# Altium PCB PCB_OBDH.PcbDoc (part 1 of 3) (continued)
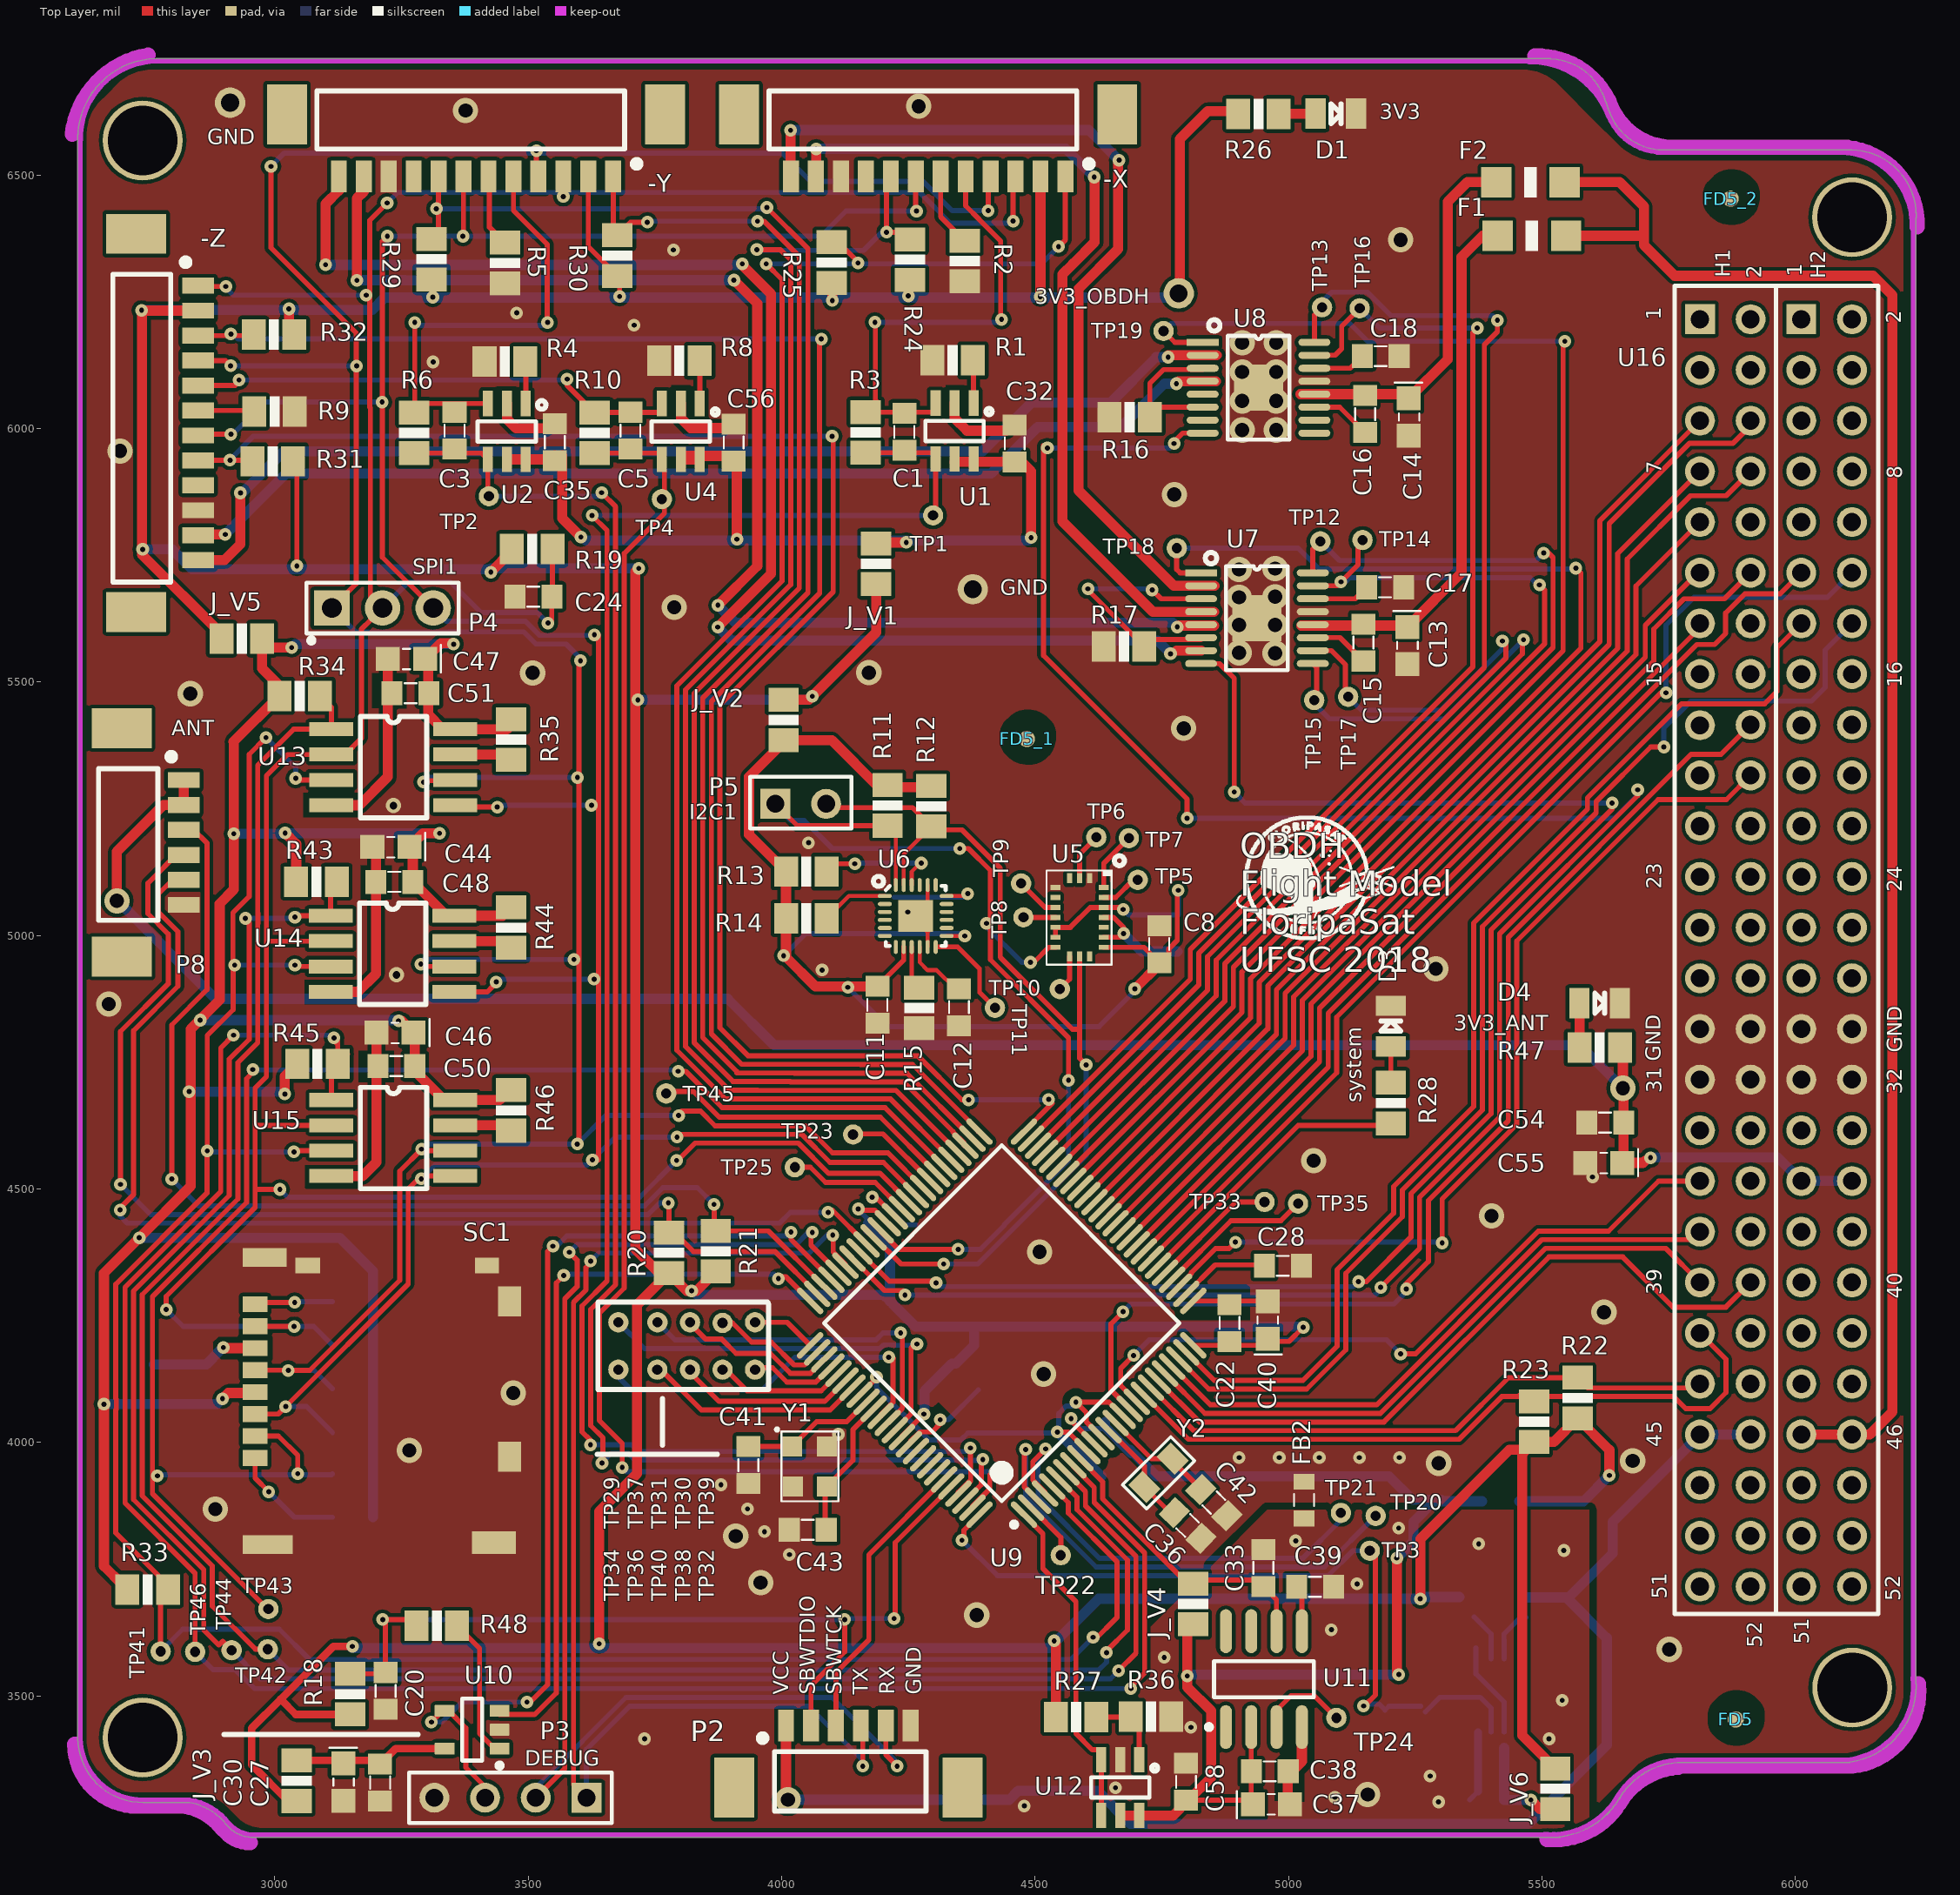
[diagram p0: Top Layer view]
## Components (designator, comment, footprint, x,y, rotation, side; value= is the part's Value field where it differs from the comment) (continued)
R25 "10k" 0805 4098.43,6327.56 r270 top
R26 "DNP" 0805 4940.94,6620.87 r180 top
R27 "47k" 0805 4581.1,3458.27 r0 top
R28 "330R" 0805 5201.97,4669.69 r90 top
R29 "10k" 0805 3309.45,6334.25 r270 top
R30 "10k" 0805 3675.98,6341.34 r270 top
R31 "10k" 0805 2996.06,5935.43 r0 top
R32 "10k" 0805 2998.43,6185.43 r0 top
R33 "10k" 0805 2749.21,3709.84 r180 top
R34 "10k" 0805 3049.21,5472.83 r180 top
R35 "10k" 0805 3466.14,5386.61 r90 top
R36 "47k" 0805 4728.74,3459.06 r0 top
R37 "10k" 0805 3153.94,4277.95 r0 bottom
R38 "10k" 0805 3153.94,4192.91 r0 bottom
R39 "10k" 0805 3153.94,4107.87 r0 bottom
R40 "10k" 0805 3153.94,4022.83 r0 bottom
R41 "10k" 0805 3153.94,3937.8 r0 bottom
R42 "10k" 0805 3153.94,3852.76 r0 bottom
R43 "10k" 0805 3082.28,5106.3 r180 top
R44 "10k" 0805 3466.14,5015.75 r90 top
R45 "10k" 0805 3084.25,4746.85 r180 top
R46 "10k" 0805 3466.14,4655.12 r90 top
R47 "DNP" 0805 5614.17,4778.74 r0 top
R48 "10k" 0805 3319.68,3638.19 r0 top
RSense "0.05R/0.5W" "1206 - ohmite" 5411.02,3676.38 r180 bottom
SC1 "WM12834CT-ND" USD_CARD 3401.18,3798.43 r90 top
TP1 "TEST_POINT_2" TEST_POINT_2 4298.82,5828.74 r0 top
TP2 "TEST_POINT_2" TEST_POINT_2 3422.45,5866.54 r0 top
TP3 "TEST_POINT_2" TEST_POINT_2 5160.44,3786.43 r90 top
TP4 "TEST_POINT_2" TEST_POINT_2 3763.78,5861.02 r0 top
TP5 "TEST_POINT_2" TEST_POINT_2 4702.76,5109.84 r90 top
TP6 "TEST_POINT_2" TEST_POINT_2 4620.87,5193.7 r90 top
TP7 "TEST_POINT_2" TEST_POINT_2 4685.04,5192.13 r90 top
TP8 "TEST_POINT_2" TEST_POINT_2 4477.17,5035.83 r90 top
TP9 "TEST_POINT_2" TEST_POINT_2 4472.44,5102.76 r90 top
TP10 "TEST_POINT_2" TEST_POINT_2 4548.82,4894.49 r90 top
TP11 "TEST_POINT_2" TEST_POINT_2 4420.87,4857.48 r90 top
TP12 "TEST_POINT_2" TEST_POINT_2 5062.99,5777.56 r90 top
TP13 "TEST_POINT_2" TEST_POINT_2 5066.14,6239.37 r90 top
TP14 "TEST_POINT_2" TEST_POINT_2 5146.06,5780.31 r90 top
TP15 "TEST_POINT_2" TEST_POINT_2 5050.79,5464.57 r90 top
TP16 "TEST_POINT_2" TEST_POINT_2 5140.55,6237.4 r90 top
TP17 "TEST_POINT_2" TEST_POINT_2 5117.72,5470.87 r90 top
TP18 "TEST_POINT_2" TEST_POINT_2 4779.53,5764.17 r90 top
TP19 "TEST_POINT_2" TEST_POINT_2 4753.54,6192.52 r90 top
TP20 "TEST_POINT_2" TEST_POINT_2 5172.05,3855.12 r90 top
TP21 "TEST_POINT_2" TEST_POINT_2 5103.54,3861.02 r90 top
TP22 "TEST_POINT_2" TEST_POINT_2 4550.79,3777.56 r90 top
TP23 "TEST_POINT_2" TEST_POINT_2 4140.94,4607.48 r90 top
TP24 "TEST_POINT_2" TEST_POINT_2 5094.49,3456.69 r90 top
TP25 "TEST_POINT_2" TEST_POINT_2 4025.98,4542.91 r90 top
TP29 "TEST_POINT_2" TEST_POINT_2 3677.95,4237.01 r90 top
TP30 "TEST_POINT_2" TEST_POINT_2 3883.46,4235.83 r0 top
TP31 "TEST_POINT_2" TEST_POINT_2 3819.29,4237.01 r0 top
TP32 "TEST_POINT_2" TEST_POINT_2 3947.64,4143.7 r90 top
TP33 "TEST_POINT_2" TEST_POINT_2 4952.76,4474.41 r90 top
TP34 "TEST_POINT_2" TEST_POINT_2 3677.95,4143.7 r90 top
TP35 "TEST_POINT_2" TEST_POINT_2 5018.9,4471.26 r90 top
TP36 "TEST_POINT_2" TEST_POINT_2 3754.72,4143.7 r90 top
TP37 "TEST_POINT_2" TEST_POINT_2 3755.12,4237.01 r90 top
TP38 "TEST_POINT_2" TEST_POINT_2 3883.46,4143.7 r90 top
TP39 "TEST_POINT_2" TEST_POINT_2 3947.64,4237.01 r0 top
TP40 "TEST_POINT_2" TEST_POINT_2 3819.29,4143.7 r90 top
TP41 "TEST_POINT_2" TEST_POINT_2 2774.8,3587.8 r180 top
TP42 "TEST_POINT_2" TEST_POINT_2 2986.22,3592.13 r0 top
TP43 "TEST_POINT_2" TEST_POINT_2 2987.4,3671.26 r180 top
TP44 "TEST_POINT_2" TEST_POINT_2 2914.96,3590.16 r180 top
TP45 "TEST_POINT_2" TEST_POINT_2 3772.44,4688.58 r90 top
TP46 "TEST_POINT_2" TEST_POINT_2 2842.91,3587.01 r180 top
U1 "TLV341AIDBVR" "SOT-23 6L" 4341.34,5995.28 r180 top
U2 "TLV341AIDBVR" "SOT-23 6L" 3457.88,5994.49 r180 top
U3 "MAX9934TAUA+" MSOP-8 5387.01,3508.27 r90 bottom
U4 "TLV341AIDBVR" "SOT-23 6L" 3801.18,5994.49 r180 top
U5 "DNP" LGA20 4638.98,5096.85 r270 top
U6 "MPU-9250" QFN24P300X300X105-25N 4224.13,5098.98 r0 top
U7 "DNP" 16TTSSOP 4937.8,5625.98 r0 top
U8 "DNP" 16TTSSOP 4940.94,6080.71 r0 top
U9 "MSP430F6659IPZR" PZ0100A_N 4434.25,4235.43 r135 top value=Value
U10 "TPS3823-33QDBVRQ1" DBV0005A_N 3389.37,3433.46 r180 top
U11 "REF5030A-Q1" SOIC-8 4951.57,3533.07 r90 top
U12 "TLV341AIDBVR" "SOT-23 6L" 4668.11,3319.29 r180 top
U13 "IS25LP128-JBLE" SOIC8 3111.81,5407.09 r0 top
U14 "IS25LP128-JBLE" SOIC8 3110.24,5038.98 r0 top
U15 "IS25LP128-JBLE" SOIC8 3111.81,4675.59 r0 top
U16 "PC104_INTERNAL" PC104 6114.96,3715.75 r90 top locked
Y1 "32MHz 10ppm" XTAL_ABM8X 4055.91,3952.76 r270 top
Y2 "32.768kHz 12.5pF" "ABS06 0805" 4743.7,3940.16 r45 top

## Footprints (in the part's own frame and the unit in brackets; to place one, negate y for a bottom-side part, rotate by r counter-clockwise, add the part's x,y. Pads: shape width x height; smd on the part's side, far side on the other; paste and mask are expansions set on the pad)
16TTSSOP [mm]
  rect 2.46x2.31 smd mask+0.07: 0(0,0)
  rect 1.6x0.35 smd mask+0.07: 1(-2.8,2.275)
  oval 1.6x0.35 smd mask+0.07: 2(-2.8,1.625) 3(-2.8,0.975) 4(-2.8,0.325) 5(-2.8,-0.325) 6(-2.8,-0.975) 7(-2.8,-1.625) 8(-2.8,-2.275) 9(2.8,-2.275) 10(2.8,-1.625) 11(2.8,-0.975) 12(2.8,-0.325) 13(2.8,0.325) 14(2.8,0.975) 15(2.8,1.625) 16(2.8,2.275)
  silkscreen extent -1.55,-2.6 1.55,2.6, body extent -3.17,-2.55 3.22,2.55, height 1.2
0805 [mil]
  rect 47.24x60 smd: 1(-40,0) 2(40,0)
  silkscreen extent -10,-30 10,30, body extent -50,-24 49,25, height 31
0805-LED [mil]
  rect 40x60 smd: 1(-40.35,0) 2(39.65,0)
  silkscreen extent -10,-20 10,20, body extent -40,-25 40,25, height 43
1206 [mil]
  rect 60x60 smd: 1(-67.5,0) 2(67.5,0)
  silkscreen extent -12,-30 12,30, body extent -79,-31 78,32, height 60
"1206 - ohmite" [mm]
  rect 1.5x0.57 smd: 1(-1.725,0.475) 2(1.725,0.5) 3(-1.725,-0.475) 4(1.725,-0.45)
  silkscreen extent -0.32,-0.76 0.32,0.76, body extent -2.01,-0.8 1.99,0.8, height 1.53
"ABS06 0805" [mm]
  rect 1x1.3 smd: 1(-1,0) 2(1,0)
  silkscreen extent -1.7,-0.85 1.7,0.85, body extent -1,-0.6 1,0.62, height 0.6
CC0805 [mm] "TDK mlccspec_commercial_general_midvoltage_en.pdf"
  rect 1.05x1.2 smd: 1(-0.925,0) 2(0.925,0)
  silkscreen extent -0.3,-0.5 0.3,0.5, body extent -1.25,-0.62 1.25,0.62, height 0.78
CC0805_Tantalum [mm] "TDK mlccspec_commercial_general_midvoltage_en.pdf"
  rect 1.2x1.2 smd: 1(-0.93,0) 2(0.93,0)
  silkscreen extent -1.73,-0.7 0.18,0.67, body extent -1.04,-0.59 1.21,0.76, height 1.35
CC1210 [mm] "TDK mlccspec_commercial_general_midvoltage_en.pdf"
  rect 1.1x2.2 smd: 1(-1.6,0) 2(1.6,0)
  silkscreen extent -0.8,-1.1 0.8,1.1, body extent -2,-1.24 2,1.24, height 1.69
DBV0005A_N [mm] "SOT23, 5-Leads, Body 3.05x1.75mm, Pitch 0.95mm, IPC Medium Density"
  rrect17% 1x0.6 smd: 1(-1.375,0.95) 2(-1.375,0) 3(-1.375,-0.95) 4(1.375,-0.95) 5(1.375,0.95)
  silkscreen extent -1.5,-1.55 0.5,1.92, body extent -1.42,-1.46 1.42,1.46, height 1.08
FEDU_0,8-TOP [mil]
  round 32 smd: 1(0,0)
HDR1X2H [mm] "Connector; Header; 2 Position; Right Angle"
  rect 1.5x1.5 hole 0.9: 1(0,0)
  round 1.5 hole 0.9: 2(2.54,0)
  silkscreen extent -1.27,-1.24 3.81,1.36
HDR1X4 [mm] "Connector; Header; 4 Position"
  rect 1.5x1.5 hole 0.9: 1(0,0)
  round 1.5 hole 0.9: 2(2.54,0) 3(5.08,0) 4(7.62,0)
  silkscreen extent -1.27,-1.27 8.89,1.27
"HDR6 PicoBlade" [mm]
  rect 2x3 smd: 0(-2.6,-3.1) 0(8.85,-3.1)
  rect 0.8x1.6 smd: 1(0,0) 2(1.25,0) 3(2.5,0) 4(3.75,0) 5(5,0) 6(6.25,0)
  silkscreen extent -1.26,-4.28 7.02,-0.54, body extent -3.12,-4.33 9.52,-0.13, height 4.7
"HDR12 PicoBlade - duplicate" [mm]
  rect 2x3 smd: 0(-2.6,-3.1) 0(16.35,-3.1)
  rect 0.8x1.6 smd: 1(0,0) 2(1.25,0) 3(2.5,0) 4(3.75,0) 5(5,0) 6(6.25,0) 7(7.5,0) 8(8.75,0) 9(10,0) 10(11.25,0) 11(12.5,0) 12(13.75,0)
  silkscreen extent -1.26,-4.28 14.85,-0.54, body extent -3.2,-4.45 16.95,-0.25, height 4.7
"HDR 1X3" [mil]
  rect 70x70 hole 39: 1(0,0)
  round 70 hole 39: 2(100,0) 3(200,0)
  silkscreen extent -50,-69 250,50, body extent -50,-50 250,50, height 330
IND0805 [mm]
  rect 0.8x1.05 smd: 1(-0.925,0) 2(0.925,0)
  silkscreen extent -0.3,-0.5 0.3,0.5, body extent -1,-0.6 1,0.6, height 0.95
LGA20 [mm]
  rect 0.25x0.5 smd: 1(0.05,-0.09) 2(0.55,-0.09) 3(1.05,-0.09) 4(1.55,-0.09) 5(2.05,-0.09) 6(2.55,-0.09) 7(3.05,-0.09) 11(3.05,-2.51) 12(2.55,-2.51) 13(2.05,-2.51) 14(1.55,-2.51) 15(1.05,-2.51) 16(0.55,-2.51) 17(0.05,-2.51)
  rect 0.5x0.25 smd: 8(3.51,-0.8) 9(3.51,-1.3) 10(3.51,-1.8) 18(-0.41,-1.8) 19(-0.41,-1.3) 20(-0.41,-0.8)
  silkscreen extent -0.85,-2.95 3.93,0.35, body extent -0.7,-2.8 3.8,0.2, height 1
MSOP-8 [mm] "8-Lead Mini Small Outline Package [MSOP] (RM-8)"
  rect 1.5x0.45 smd: 1(-2.025,0.975) 2(-2.025,0.325) 3(-2.025,-0.325) 4(-2.025,-0.975) 5(2.025,-0.975) 6(2.025,-0.325) 7(2.025,0.325) 8(2.025,0.975)
  silkscreen extent -2.15,-1.6 0.87,1.88, body extent -2.46,-1.5 2.46,1.5, height 1.1
PC104 [mm] "Connector; Header; 26x4 Position"
  rect 1.5x1.5 hole 0.9: H1-1(63.5,7.7) H2-1(63.5,2.625)
  round 1.5 hole 0.9: H1-2(63.5,5.16) H1-3(60.96,7.7) H1-4(60.96,5.16) H1-5(58.42,7.7) H1-6(58.42,5.16) H1-7(55.88,7.7) H1-8(55.88,5.16) H1-9(53.34,7.7) H1-10(53.34,5.16) H1-11(50.8,7.7) H1-12(50.8,5.16) H1-13(48.26,7.7) H1-14(48.26,5.16) H1-15(45.72,7.7) H1-16(45.72,5.16) H1-17(43.155,7.7) H1-18(43.18,5.16) H1-19(40.64,7.7) H1-20(40.64,5.16) H1-21(38.1,7.7) H1-22(38.1,5.16) H1-23(35.56,7.7) H1-24(35.56,5.16) H1-25(33.02,7.7) H1-26(33.02,5.16) H1-27(30.48,7.7) H1-28(30.48,5.16) H1-29(27.94,7.7) H1-30(27.94,5.16) H1-31(25.4,7.7) H1-32(25.4,5.16) H1-33(22.86,7.7) H1-34(22.86,5.16) H1-35(20.32,7.7) H1-36(20.32,5.16) H1-37(17.78,7.7) H1-38(17.78,5.16) H1-39(15.24,7.7) H1-40(15.24,5.16) H1-41(12.7,7.7) H1-42(12.7,5.16) H1-43(10.16,7.7) H1-44(10.16,5.16) H1-45(7.62,7.7) H1-46(7.62,5.16) H1-47(5.08,7.7) H1-48(5.08,5.16) H1-49(2.54,7.7) H1-50(2.54,5.16) H1-51(0,7.7) H1-52(0,5.16) H2-2(63.5,0.08) H2-3(60.96,2.62) H2-4(60.96,0.08) H2-5(58.42,2.62) H2-6(58.42,0.08) H2-7(55.88,2.62) H2-8(55.88,0.08) H2-9(53.34,2.625) H2-10(53.34,0.08) H2-11(50.8,2.625) H2-12(50.8,0.08) H2-13(48.26,2.62) H2-14(48.26,0.08) H2-15(45.72,2.62) H2-16(45.72,0.08) H2-17(43.155,2.62) H2-18(43.18,0.08) H2-19(40.64,2.62) H2-20(40.64,0.08) H2-21(38.1,2.62) H2-22(38.1,0.08) H2-23(35.56,2.62) H2-24(35.56,0.08) H2-25(33.02,2.62) H2-26(33.02,0.08) H2-27(30.48,2.62) H2-28(30.48,0.08) H2-29(27.94,2.62) H2-30(27.94,0.08) H2-31(25.4,2.62) H2-32(25.4,0.08) H2-33(22.86,2.62) H2-34(22.86,0.08) H2-35(20.32,2.62) H2-36(20.32,0.08) H2-37(17.78,2.62) H2-38(17.78,0.08) H2-39(15.24,2.62) H2-40(15.24,0.08) H2-41(12.7,2.62) H2-42(12.7,0.08) H2-43(10.16,2.62) H2-44(10.16,0.08) H2-45(7.62,2.62) H2-46(7.62,0.08) H2-47(5.08,2.62) H2-48(5.08,0.08) H2-49(2.54,2.62) H2-50(2.54,0.08) H2-51(0,2.62) H2-52(0,0.08)
  silkscreen extent -1.38,-1.22 65.18,8.97, body extent -1.47,-1.06 65.1,8.92, height 13.51
PZ0100A_N [mm]
  oval 1.75x0.3 smd paste-0.102 mask+0.051: 1(-7.575,6) 2(-7.575,5.5) 3(-7.575,5) 4(-7.575,4.5) 5(-7.575,4) 6(-7.575,3.5) 7(-7.575,3) 8(-7.575,2.5) 9(-7.575,2) 10(-7.575,1.5) 11(-7.575,1) 12(-7.575,0.5) 13(-7.575,0) 14(-7.575,-0.5) 15(-7.575,-1) 16(-7.575,-1.5) 17(-7.575,-2) 18(-7.575,-2.5) 19(-7.575,-3) 20(-7.575,-3.5) 21(-7.575,-4) 22(-7.575,-4.5) 23(-7.575,-5) 24(-7.575,-5.5) 25(-7.575,-6) 51(7.575,-6) 52(7.575,-5.5) 53(7.575,-5) 54(7.575,-4.5) 55(7.575,-4) 56(7.575,-3.5) 57(7.575,-3) 58(7.575,-2.5) 59(7.575,-2) 60(7.575,-1.5) 61(7.575,-1) 62(7.575,-0.5) 63(7.575,0) 64(7.575,0.5) 65(7.575,1) 66(7.575,1.5) 67(7.575,2) 68(7.575,2.5) 69(7.575,3) 70(7.575,3.5) 71(7.575,4) 72(7.575,4.5) 73(7.575,5) 74(7.575,5.5) 75(7.575,6)
  oval 0.3x1.75 smd paste-0.102 mask+0.051: 26(-6,-7.575) 27(-5.5,-7.575) 28(-5,-7.575) 29(-4.5,-7.575) 30(-4,-7.575) 31(-3.5,-7.575) 32(-3,-7.575) 33(-2.5,-7.575) 34(-2,-7.575) 35(-1.5,-7.575) 36(-1,-7.575) 37(-0.5,-7.575) 38(0,-7.575) 39(0.5,-7.575) 40(1,-7.575) 41(1.5,-7.575) 42(2,-7.575) 43(2.5,-7.575) 44(3,-7.575) 45(3.5,-7.575) 46(4,-7.575) 47(4.5,-7.575) 48(5,-7.575) 49(5.5,-7.575) 50(6,-7.575) 76(6,7.575) 77(5.5,7.575) 78(5,7.575) 79(4.5,7.575) 80(4,7.575) 81(3.5,7.575) 82(3,7.575) 83(2.5,7.575) 84(2,7.575) 85(1.5,7.575) 86(1,7.575) 87(0.5,7.575) 88(0,7.575) 89(-0.5,7.575) 90(-1,7.575) 91(-1.5,7.575) 92(-2,7.575) 93(-2.5,7.575) 94(-3,7.575) 95(-3.5,7.575) 96(-4,7.575) 97(-4.5,7.575) 98(-5,7.575) 99(-5.5,7.575) 100(-6,7.575)
  silkscreen extent -7.7,-6.3 6.3,6.82, body extent -8.1,-8.1 8.05,8.05, height 1.62
QFN24P300X300X105-25N [mm]
  oval 0.7x0.2 smd paste-25.4: 1(-0.523,-0.534) 2(-0.523,-0.934) 3(-0.523,-1.334) 4(-0.523,-1.734) 5(-0.523,-2.134) 6(-0.523,-2.534) 13(2.577,-2.534) 14(2.577,-2.134) 15(2.577,-1.734) 16(2.577,-1.334) 17(2.577,-0.934) 18(2.577,-0.534)
  oval 0.2x0.7 smd paste-25.4: 7(0.027,-3.084) 8(0.427,-3.084) 9(0.827,-3.084) 10(1.227,-3.084) 11(1.627,-3.084) 12(2.027,-3.084) 19(2.027,0.016) 20(1.627,0.016) 21(1.227,0.016) 22(0.827,0.016) 23(0.427,0.016) 24(0.027,0.016)
  rect 1.75x1.6 smd mask-25.4: 25(1.027,-1.534)
  silkscreen extent -1.09,-3.03 2.53,0.45, body extent -0.47,-3.1 2.55,-0.08, height 1
SOIC8 [mm]
  rect 2.2x0.7 smd: 1(0,0) 2(0,-1.27) 3(0,-2.54) 4(0,-3.81) 5(6.205,-3.81) 6(6.205,-2.54) 7(6.205,-1.27) 8(6.205,0)
  silkscreen extent 1.45,-4.44 4.77,0.64, body extent 0.1,-4.4 6.1,0.6, height 1.7
SOIC-8 [mm] "SOIC, 8-Leads, Body 4,89x3,90mm, Pitch 1,27mm, IPC Medium Density"
  oval 2.2x0.6 smd: 1(-2.4,1.905) 2(-2.4,0.635) 3(-2.4,-0.635) 4(-2.4,-1.905) 5(2.4,-1.905) 6(2.4,-0.635) 7(2.4,0.635) 8(2.4,1.905)
  silkscreen extent -2.52,-2.5 0.9,2.88, body extent -3,-2.45 3,2.45, height 1.75
"SOT-23 6L" [mm]
  rect 0.508x1.27 smd: 1(-0.95,-1.4) 2(0,-1.4) 3(0.95,-1.4) 4(0.95,1.4) 5(0,1.4) 6(-0.95,1.4)
  silkscreen extent -1.88,-1.13 1.46,0.51, body extent -1.5,-1.4 1.5,1.4, height 0.86
TEST_POINT_2 [mil]
  round 40 hole 20: 1(0,0)
USD_CARD [mm]
  rect 0.8x1.24 smd: 1(4.345,11.176) 2(5.445,11.176) 3(6.545,11.176) 4(7.645,11.176) 5(8.745,11.176) 6(9.845,11.176) 7(10.945,11.176) 8(12.045,11.176) 10(13.985,8.546)
  rect 0.95x2.5 smd: 10(0,10.546)
  rect 1.15x2.2 smd: 10(0.1,-0.784)
  rect 1.5x1.15 smd: 10(4.405,-1.579) 10(12.185,-1.579)
  rect 0.8x1.2 smd: 10(13.985,-0.454)
  rect 0.95x2.2 smd: 10(14.39,10.696)
  body extent -0.26,-2 14.68,12.95, height 1.43
XTAL_ABM8X [mm]
  rect 1x1 smd: 1(-1,-0.9) 2(1,-0.85) 3(1,0.85) 4(-1,0.85)
  silkscreen extent -1.93,-1.73 1.75,1.43, body extent -1.6,-1.22 1.6,1.28, height 0.6

## Part data
-X -Y: "Header, 12-Pin", Partnumber=53398-1271, LatestRevisionDate=17-Jul-2002, LatestRevisionNote="Re-released for DXP Platform.", Publisher="Altium Limited"
-Z: "Header, 12-Pin", Partnumber=533981271, LatestRevisionDate=17-Jul-2002, LatestRevisionNote="Re-released for DXP Platform.", Publisher="Altium Limited"
C1 C3 C5: library part Cap_Cer_X7R_18pF_50V_0805, "CAP CER 18pF 50V 5% X7R 0805", Partnumber=CC0805JRNPO9BN180, NCM=8532.24.10
C2 C4 C6 C8 C9 C12 C22 C23 C25 C27 C29 C32 C33 C35 C38 C48 C49 C50 C51 C53 C54 C56 C58: library part Cap_Cer_X7R_0.1uF_25V_0805, "CAP CER 0.1UF 25V 10% X7R 0805", Partnumber=CC0805KRX7R8BB104, NCM=8532.24.10
C7 C10 C13 C14 C44 C45 C46 C47 C52: library part Cap_Tant_SMD_10uF_10V_0805, "CAP Tantalum 10uF 10V 20% 0805", Partnumber=TPSP106M010R2000, NCM=8532.21.11
C11 C39: library part Cap_Cer_X7R_0.01uF_50V_0805, "CAP CER 0.01uF 25V 10% X7R 0805", Partnumber=CL21B103KAANNNC, NCM=8532.24.10
C15 C16: library part Cap_Cer_X7R_0.01uF_50V_0805, "CAP CER 0.01uF 50V 10% X7R 0805", Partnumber=CL21B103KAANNNC, NCM=8532.24.10
C17 C18: library part Cap_Cer_X7R_2.2uF_16V_0805, "CAP CER 2.2uF 16V 0805", Partnumber=C2012X7R1C225K125AB, NCM=8532.24.10
C19 C21: library part Cap_Cer_X7R_0.01uF_16V_1210, "CAP CER 22uF 16V 10% X7R 1210", Partnumber=C3225X7R1C226K250AC, NCM=8532.24.10
C20: library part Cap_Cer_X7R_0.047uF_25V_0603, "CAP CER 0.047UF 25V 0603", Partnumber=GCM188R71E473KA37D, NCM=8532.24.10
C24: library part Cap_Cer_X7R_0.022uF_50V_0805, "CAP CER 0.022UF 50V 5% X7R 0805", Partnumber=CGA4J2C0G1H223J125AA, NCM=8532.24.10
C26 C30 C31 C34 C37 C40 C55: library part Cap_Tant_SMD_10uF_6V3_0805, "CAP Tantalum 10uF 6.3V 10% 0805", Partnumber=TPSR106K006R1000, NCM=8532.21.11
C28: library part Cap_Cer_X7R_0.47uF_50V_0805, "CAP CER 0.47UF 50V 10% X7R 0805", Partnumber=C0805C474K5RACTU, NCM=8532.24.10
C36 C42: library part Cap_Cer_X7R_12pF_50V_0805, "CAP CER 12pF 50V 0805", Partnumber=CL21C120FBANNNC, NCM=8532.24.10
C41 C43: library part Cap_Cer_X7R_10pF_100V_0805, "CAP CER 10pF 100V 0805", Partnumber=08051A100FAT2A, NCM=8532.24.10
D1 D4: library part LED/G_0805, "SMD Green LED", Partnumber=LTST-C171GKT, NCM=8541.40.21
D3: library part LED/R_0603, "SMD Orange LED", Partnumber=LTST-C170KFKT, NCM=8541.40.21
F1 F2: library part Fuse, "Surface Mount Fuses SMD FA 4A", Partnumber=0437.375WR, LatestRevisionDate=17-Jul-2002, LatestRevisionNote="Re-released for DXP Platform.", PackageDescription="Thru-Hole; 2 Leads", PackageReference=PIN-W2/E2.8, Published=8-Jun-2000, Publisher="Altium Limited"
FB1 FB2: library part FB_30R_3A_100MHz_0805, "Ferrite Bead 30 OHM 3A 100MHz", Partnumber=BLM21PG300SN1D, NCM=8504.50.00
J_V1 J_V2 J_V3 J_V4 J_V5 J_V6 R1 R2 R3 R4 R5 R6 R8 R9 R10 R13 R14 R15: library part R0R_JUMPER_1/16W_0805, "RES 0R OHM 1/16W JUMPER 0805", Partnumber=CRCW08050000Z0EA, NCM=8533.21.20
P2 P8: "Header, 6-Pin, Right Angle", Partnumber=53398-0671, LatestRevisionDate=17-Jul-2002, LatestRevisionNote="Re-released for DXP Platform.", Publisher="Altium Limited"
P3: "Header, 4-Pin", LatestRevisionDate=17-Jul-2002, LatestRevisionNote="Re-released for DXP Platform.", Publisher="Altium Limited"
P4: "Header, 3-Pin, Right Angle", Partnumber=4-103327-5, LatestRevisionDate=17-Jul-2002, LatestRevisionNote="Re-released for DXP Platform.", Publisher="Altium Limited"
P5: "Header, 2-Pin, Right Angle", LatestRevisionDate=17-Jul-2002, LatestRevisionNote="Re-released for DXP Platform.", Publisher="Altium Limited"
R7: library part R1.65K_1%_1/10W_0805, "RES 1.65K OHM 1/10W 0.1% 0805", Partnumber=PCF0805R-1K65BT1, NCM=8533.21.20
R11 R12 R20 R21 R22 R23 R24 R25 R29 R30 R31 R32 R33 R34 R35 R37 R38 R39 R40 R41 R42 R43 R44 R45 R46 R48: library part R10k_1%_1/8W_0805, "RES 10K OHM 1/8W 1%  0805", Partnumber=CRCW080510K0FKEA, NCM=8533.21.20
R16: library part R0.015R_1%_0.5W_0805, "RES 0.2 OHM -0.2W 1% 0805", Partnumber=RL1220S-R20-F, NCM=8533.21.20
R17: library part R0.015R_1%_0.5W_0805, "RES 0.2 OHM - 0.2W 1% 0805", Partnumber=RL1220S-R20-F, NCM=8533.21.20
R18 R27 R36: library part R27_5%_1/10W_0805, "RES 47k OHM 1/10W 1% 0805", Partnumber=RC0805FR-0747KL, NCM=8533.21.20
R19: library part R33k_1%_1/10W_0805, "RES 33K OHM 1/10W 1% 0805", Partnumber=RC0805FR-0733KL, NCM=8533.21.20
R26 R47: library part R1.0k_1%_1/8W_0805, "RES 1.0K OHM 1/8W 1% 0805", Partnumber=RC0805FR-071KL, NCM=8533.21.20
R28: library part R330R_1%_1/4W_0805, "RES 330R OHM 1/4W 1% 0805", Partnumber=RC0805FR-07330RL, NCM=8533.21.20
RSense: library part R0.05R_0.5%_0.5W_1206, "Current Sense Resistors - SMD 0.05ohm .5% 4 Terminal", Partnumber=LVK12R050DER, NCM=8533.21.20
SC1: library part MicroSD_Card_Connector, "MicroSD CARD Connector", NCM=8536.90.40, Partnumber=WM12834CT-ND
TP1 TP2 TP3 TP4 TP5 TP6 TP7 TP8 TP9 TP10 TP11 TP12 TP13 TP14 TP15 TP16 TP17 TP18 TP19 TP20 TP21 TP22 TP23 TP24 TP25 TP29 TP30 TP31 TP32 TP33 TP34 TP35 TP36 TP37 TP38 TP39 TP40 TP41 TP42 TP43 TP44 TP45 TP46: "Test point"
U5: library part BMX055
U6: library part MPU9250, "SMD Gyroscope/Accelerometer/Magnetometer Sensor; 9-AXIS", Partnumber=MPU-9250
U7 U8: library part DRV8833PWPR, "DRV8833PWPR", Partnumber=DRV8833PWPR
U9: "Imported", Alternate PartNumber=MSP430F6659IPZ, Manufacturer="Texas Instruments", CompType=IC, MountType=SMT, PackageReference=PZ0100A, Partnumber=MSP430F6659IPZR, PIN_COUNT=100, RefDes=RefDes, RoHS=Y, Type=DEV
U10: library part CMP-0338-00011-2, "Processor Supervisory Circuit, 1 Supply Monitored, -40 to 85 degC, 5-Pin SOT-23 (DBV), Green (RoHS & no Sb/Br)", Manufacturer="Texas Instruments", Operating Temperature Range="-40 to 85 degC", Rating=Catalog, Threshold Voltage="2.93 V Typ.", # of Supplies Monitored=1, ComponentLink1Description="Manufacturer URL", ComponentLink1URL=www.ti.com, ComponentLink2Description=Datasheet, ComponentLink2URL=http://www.ti.com/lit/ds/symlink/tps3820-33.pdf, ComponentLink3Description="Package Specification", ComponentLink3URL=http://www.ti.com/lit/ml/mpds018j/mpds018j.pdf, DatasheetVersion=SLVS165J, Iq="15 uA Typ.", Mounting Technology="Surface Mount", Output Driver Type / Reset Output="Active-low, Push-pull", PackageDescription="5-Pin Plastic Small Outline, Body 1.6 x 2.9 mm, Pitch 0.95 mm", PackageReference=DBV0005A, PackageVersion=4073253-4/L, Packing="Tape and Reel", Partnumber=TPS3823-33QDBVRQ1, Reset Threshold Accuracy=2.4%, RoHS=TRUE, Time Delay="25 ms", VCC="1.1 V Min.", Watchdog Timer WDI="0.2 s"
U13 U14 U15: "IC FLASH 128MBIT 133MHZ 8SOIC", Partnumber=IS25LP128-JBLE
U16: library part PC104, "PC104", Partnumber=ESQ-126-39-G-D
Y1: library part XTAL_32MHz_SMD_4-SMD, "32MHz ±10ppm Crystal 10pF 60 Ohm -40°C ~ 125°C", Partnumber=ABM8X-102-32.000MHZ-T, NCM=8541.60.10
Y2: library part Xtal_32.768kHz_12pF_2_SMD, "32.768kHz ±20ppm Crystal 12.5pF 70 kOhm -40°C ~ 125°C", Partnumber=ECS-.327-12.5-34S-TR, NCM=8541.60.10
U1 U2 U4 U12: Partnumber=TLV341AIDBVR
U3: Partnumber=MAX9934TAUA+
U11: Partnumber=REF5030A-Q1

## Free pads (board coordinates)
  round 157.48 hole 137.8: 0(2739.33,3417.83) 1(6112.36,3516.26) 2(6112,6417) 3(2739.33,6568.43)
  round 60 hole 35.43: 4(4783.46,6266.93) 7(2911.81,6642.91) 7(4377.17,5683.07)

## Via types
v1: diameter 25, hole 10, Top Layer to Bottom Layer, tented both sides, 261 vias
v2: diameter 50, hole 28, Top Layer to Bottom Layer, tented both sides, 46 vias
v3: diameter 30, hole 15, Top Layer to Bottom Layer, tented both sides, 2 vias

## Nets (pads, with @x,y where several pads share a name; then routed paths per layer and width w, separated by ;. In a path a pad name is that pad's centre, name@x,y a point inside that pad or via, vN(x,y) a via of type N, cw(c..) or ccw(c..) an arc to the next point about the centre after c; other vN are vias at no path point)
3V3_C_CURRENT_CIRCUIT: C52.1 C53.1 J_V6.1 U3.1 U3.6 | length 400.1
  Top Layer w20: v1(5478.15,3294.68) 5495.91,3276.93 J_V6.1@5526.38,3276.93
  Bottom Layer w10: U3.6@5369.88,3594.68 5369.88,3543.5 5425.39,3487.99 U3.1@5425.39,3428.54
  Bottom Layer w20: 5425.59,3397.47 5425.59,3294.68 v1(5478.15,3294.68)
3V3_CURRENT_SENSING: C32.1 C35.1 C56.1 J_V1.1 U1.5 U1.6 U2.5 U2.6 U4.5 U4.6 | length 1797.9
  Top Layer w20: U2.5@3457.88,5939.37 U2.6@3495.28,5939.37 3545.08,5939.37 C35.1@3552.76,5947.05 ; C35.1@3567.32,5947.05 3567.32,5822.83 v1(3603.94,5786.22) ; U4.6@3836.61,5939.37 U4.5@3801.18,5939.37 3808.07,5946.26 3911.81,5946.26 v1(3911.81,5781.89) ; J_V1.1@4200.39,5775.43 4245.91,5775.43 v1(4246.06,5775.59) ; U1.5@4341.34,5933.86 4341.93,5934.45 C32.1@4459.84,5934.45 ; C32.1@4468.01,5940.06 4492.13,5915.94 v1(4492.13,5785.04)
  Bottom Layer w20: v1@3613.36,5779.5 4486.59,5779.5 v1(4492.13,5785.04)
3V3_IMU: C6.1 C7.1 C8.1 C9.1 C10.1 C11.1 J_V2.1 R11.2 R12.2 R13.2 R14.2 U5.3 U5.7 U5.12 U5.13 U6.8 U6.13 | length 2828.4
  Top Layer w8: U6.13@4325.59,4999.21 v1(4361.42,4999.21)
  Top Layer w9: 4240.94,4951.02 U6.8@4240.94,4977.56
  Top Layer w10: C11.1@4188.98,4899.8 4240.19,4951.02 ; U5.12@4540.16,4996.46 U5.13@4540.16,5016.14 4569.69,5016.14 4609.06,5055.51 U5.3@4635.43,5055.51 v1@4674.02,5055.51 ; U5.7@4635.43,4976.77 4714.96,4976.77 C8.1@4745.08,4946.65 4748.23,4946.65 4763.78,4962.2 4763.78,4973.62 4780.7,4990.54 4780.7,5081.88 v1@4783.86,5085.04
  Top Layer w20: J_V2.1@4003.94,5381.5 3935.76,5313.31 3935.76,5199.09 R13.2@4008.7,5126.14 R14.2@4008.7,5034.02 4008.7,4957.44 4066.34,4899.8 C11.1@4188.98,4899.8 ; J_V2.1@4003.94,5385.2 4099.06,5385.2 4190.31,5293.94 4201.18,5293.94 4202.76,5292.36 R12.2@4281.5,5292.36 ; v1(4696.85,4894.88) 4745.08,4943.11 C8.1@4745.08,4946.65
  Bottom Layer w10: v1(4003.94,4960.24) 4047.64,5003.94 4356.69,5003.94 v1(4361.42,4999.21) ; v1(4130.71,4898.03) 4208.26,4820.48 4626.39,4820.48 v1@4700,4894.09 ; v1(4674.02,5051.57) 4684.65,5040.94 4782.68,5040.94 v1(4782.68,5089.37)
3V3_MEMORY: C44.1 C45.1 C46.1 C47.1 C48.1 C49.1 C50.1 C51.1 J_V5.1 R33.2 R34.2 R35.2 R37.2 R38.2 R39.2 R40.2 R41.2 R42.2 R43.2 R44.2 R45.2 R46.2 SC1.4 U13.8 U14.8 U15.8 | length 5944.8
  Top Layer w20: R33.2@2698.43,3720.63 2662.99,3756.06 v1(2662.99,4075.59) 2662.99,4334.25 v1(2732.68,4403.94) 2834.25,4505.51 2834.25,4815.75 2891.34,4872.83 2891.34,5062.96 2919.29,5090.91 v1(2919.29,5200.79) 2919.29,5381.65 2918.66,5382.28 R34.2@3009.21,5472.83 ; v1(2896.85,4086.22) 2908.27,4097.64 2959.41,4097.64 SC1.4@2961.18,4099.41 ; R34.2@3019.57,5483.19 R34.2@3009.21,5472.83 ; v1(3019.84,4687.4) 3019.84,4722.44 R45.2@3044.25,4746.85 ; v1(3020.47,5202.36) 3042.28,5180.55 R43.2@3042.28,5106.3 ; v1(3033.46,5568.11) 2977.01,5568.11 2975.04,5570.08 2975.04,5526.77 3009.21,5492.6 R34.2@3009.21,5472.83 ; v1(3244.09,4831.49) 3250.8,4831.49 C46.1@3274.02,4808.27 3276.18,4806.1 C50.1@3276.18,4742.52 3276.18,4733.27 3333.86,4675.59 U15.8@3356.1,4675.59 3443.46,4675.59 R46.2@3467.4,4699.53 ; v1(3325.2,5201.57) 3292.52,5201.57 C44.1@3265.75,5174.8 3272.24,5168.31 C48.1@3272.24,5105.91 3339.17,5038.98 U14.8@3354.53,5038.98 3449.37,5038.98 R44.2@3466.14,5055.75 ; v1(3352.76,5574.8) 3350.79,5576.77 3327.56,5576.77 C47.1@3296.46,5545.67 3302.76,5545.67 3302.76,5435.83 3331.5,5407.09 U13.8@3356.1,5407.09 3458.03,5407.09 R35.2@3466.14,5415.2
  Bottom Layer w20: v1(2662.99,4075.59) 2885.83,4075.59 2886.22,4075.98 v1@2896.46,4086.22 ; v1@2732.68,4403.54 3128.34,4403.54 3193.94,4337.94 R37.2@3193.94,4277.95 R38.2@3193.94,4192.91 R39.2@3193.94,4107.87 R40.2@3193.94,4022.83 R41.2@3193.94,3937.8 R42.2@3193.94,3852.76 ; v1(2831.1,4692.13) v1@3019.84,4692.13 ; v1(2852.76,4833.04) v1@3244.29,4833.04 ; v1(2919.29,5200.79) v1@3028.74,5200.79 ; v1(3020.47,5202.36) 3021.26,5201.57 v1(3325.2,5201.57) ; v1(3033.46,5568.11) 3040.16,5574.8 v1(3352.76,5574.8)
\M\R\_WDOG: U9.75 U10.3 | length 1480.3
  Top Layer w10: U10.3@3443.5,3470.87 3443.5,3463.3 3512.9,3463.3 3555.37,3505.76 3555.37,4314.82 v1(3570.08,4329.53) ; v1@3990.94,4327.17 4008.45,4327.17 U9.75@4056.34,4279.28
  Bottom Layer w10: v1(3570.08,4329.53) 3572.44,4331.89 3985.04,4331.89 v1(3993.7,4323.23)
A3V3_OBDH: C19.1 C23.1 C26.1 C37.1 C38.1 C58.1 FB1.2 J_V4.2 U9.11 U11.2 U12.5 U12.6 | length 2606.5
  Top Layer w10: v1(4571.26,4047.24) 4571.26,4042.75 U9.11@4617.29,3996.72 ; C58.1@4798.03,3294.29 4802.56,3294.29 4921.06,3294.29 C37.1@4926.57,3288.78 ; C37.1@4926.57,3272.83 C37.1@4926.57,3288.78 ; U11.2@4926.57,3438.58 C38.1@4926.57,3351.18 C37.1@4926.57,3288.78 ; C37.1@4929.53,3285.83 C37.1@4926.57,3288.78
  Top Layer w20: U12.5@4668.11,3264.17 U12.6@4705.51,3264.17 4772.44,3264.17 4802.56,3294.29 4847.24,3338.98 4847.24,3470.47 4800.39,3517.32 v1(4800.39,3539.37) 4800.39,3637.56 J_V4.2@4805.12,3642.28 ; v1@5213.78,3542.13 v1(5213.78,3772.05)
  Bottom Layer w10: v1(4571.26,4047.24) 4591.43,4027.07 C26.1@4636.91,4027.07
  Bottom Layer w20: C26.1@4637.89,4040.06 4637.89,4030.61 C23.1@4689.76,3978.74 ; C23.1@4687.56,3985.2 4739.3,3933.46 5198.03,3933.46 5244.69,3886.81 5301.77,3886.81 C19.1@5302.76,3885.83 C19.1@5300.79,3883.86 ; v1(4800.39,3539.37) 4803.15,3542.13 v1(5217.72,3542.13) ; v1(5213.78,3772.05) 5246.81,3805.08 5246.81,3843.27 5287.4,3883.86 C19.1@5300.79,3883.86 ; FB1.2@5382.09,3883.86 C19.1@5300.79,3883.86
ADC_VCC_3V3: U9.1 U12.3 U12.4 | length 662.3
  Top Layer w10: U9.1@4478.1,3857.52 4515.55,3820.07 4515.55,3751.38 4580.71,3686.22 4580.71,3425.98 4612.6,3394.09 4622.44,3394.09 4630.71,3385.83 U12.3@4630.71,3374.41 U12.4@4630.71,3264.17